# Altium PCB LightLinkV2.1.PcbDoc
Units mil, origin at the board's own origin, x right, y up, seen from the top; angles counter-clockwise.
Board outline 6160 x 5440 mil, 4 copper layers (Top Layer, GND Plane, PWR Plane, Bottom Layer), stack 23.756 mil thick; 118 components, 105 nets, 510 pads, 12 vias.
Unrouted connection lines stored in the file: 261.
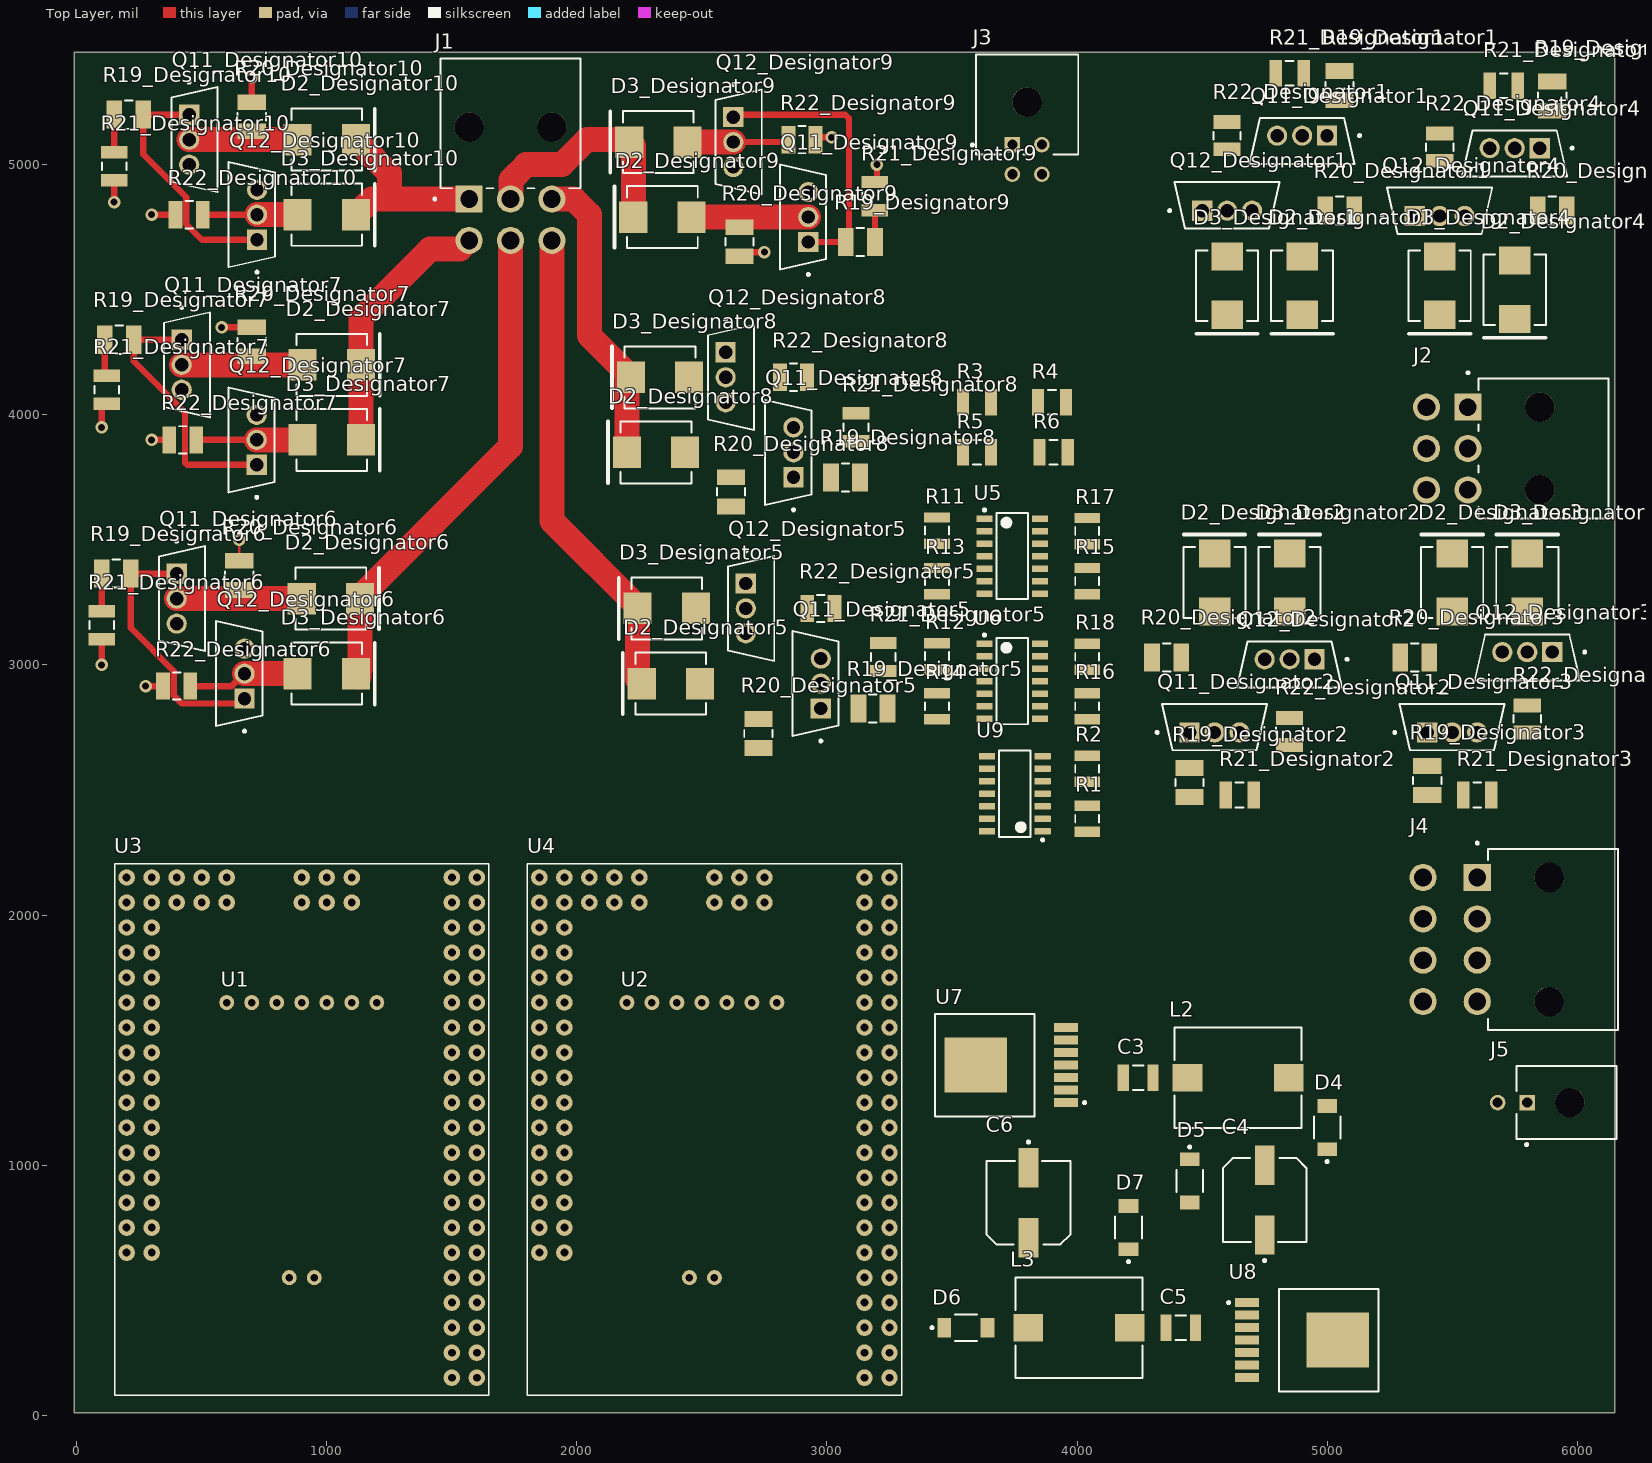
[diagram p0: Top Layer view]
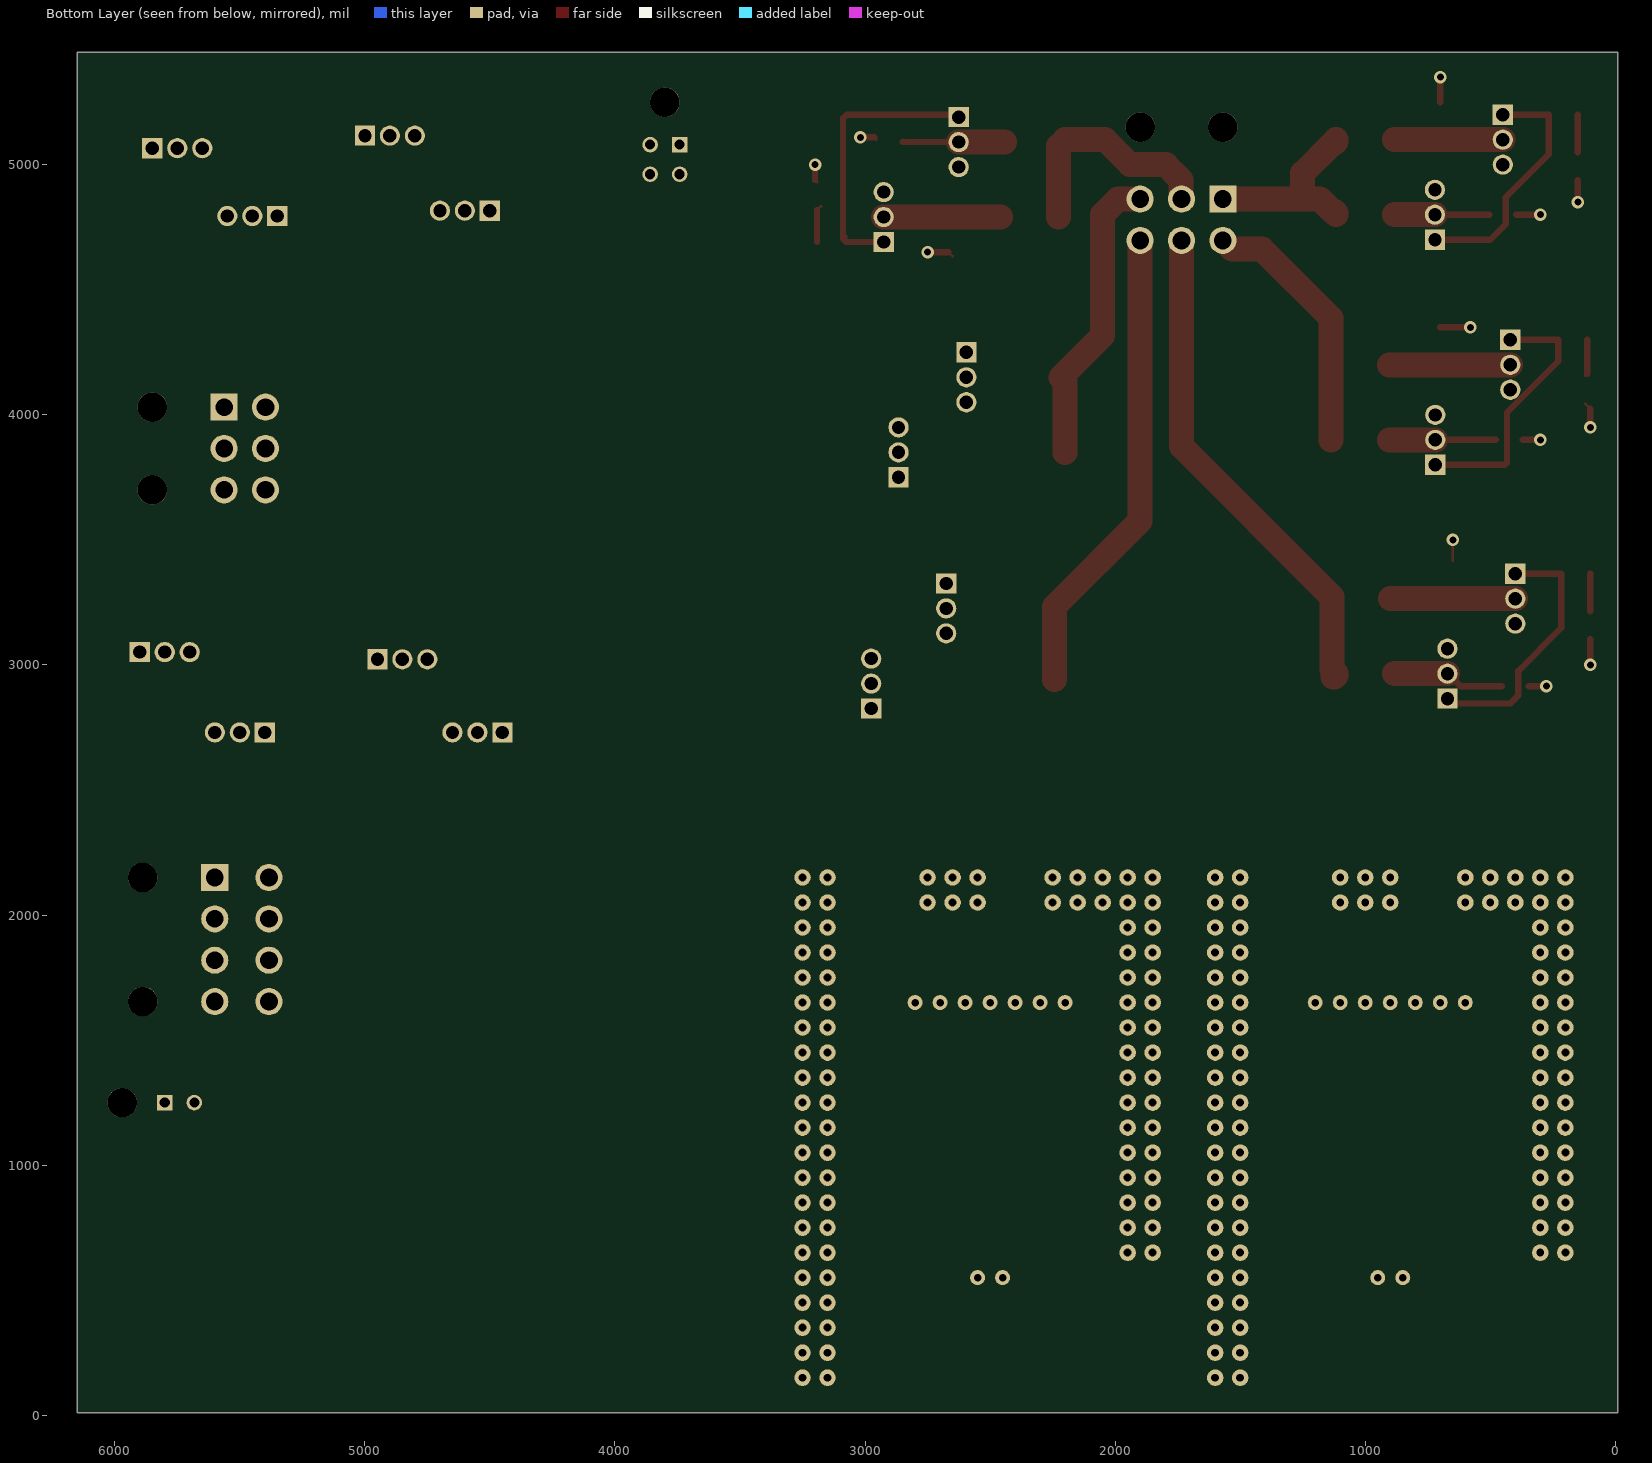
[diagram p1: Bottom Layer view, seen from below]
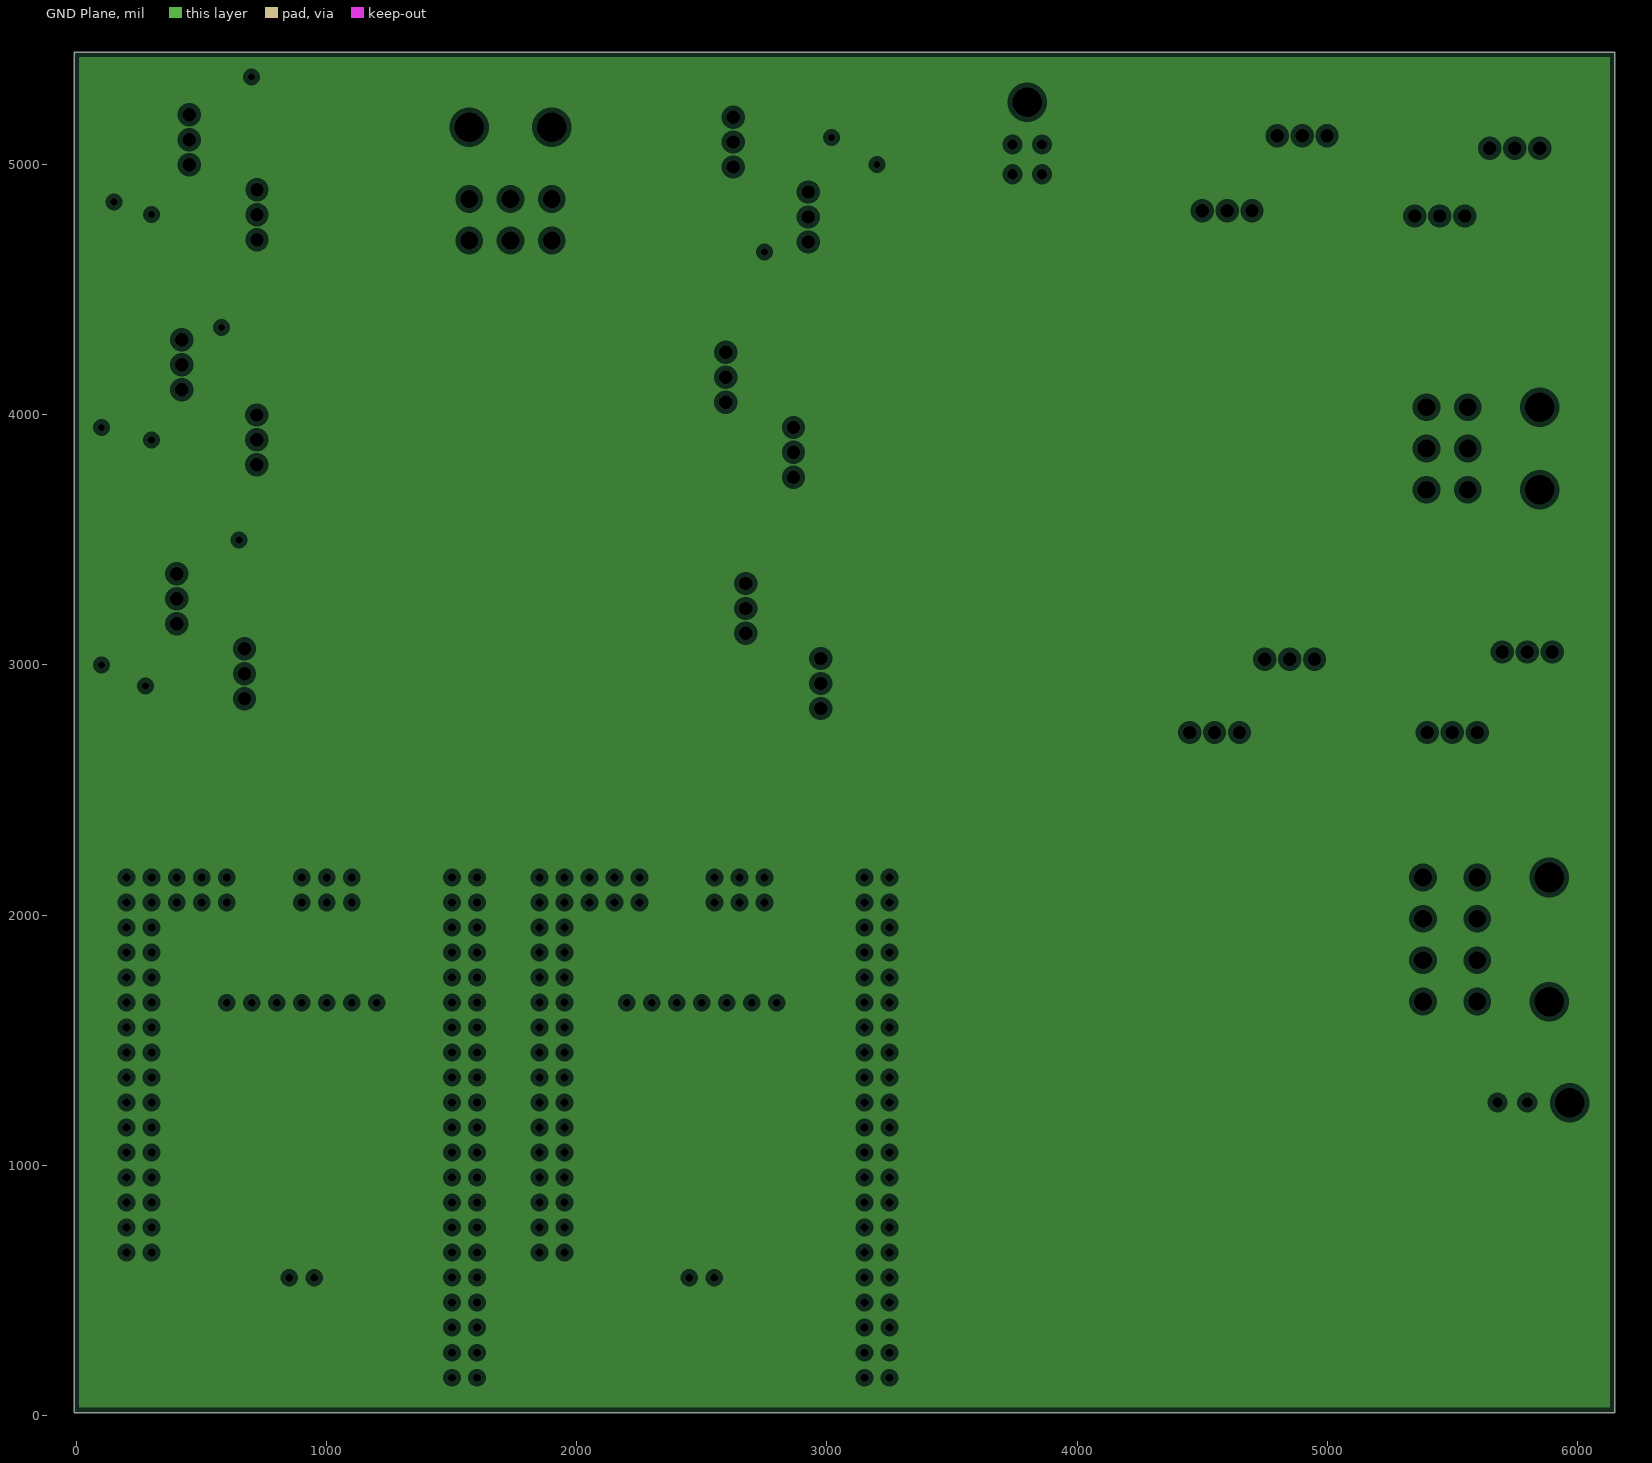
[diagram p2: GND Plane, clearances drawn from the general rule]
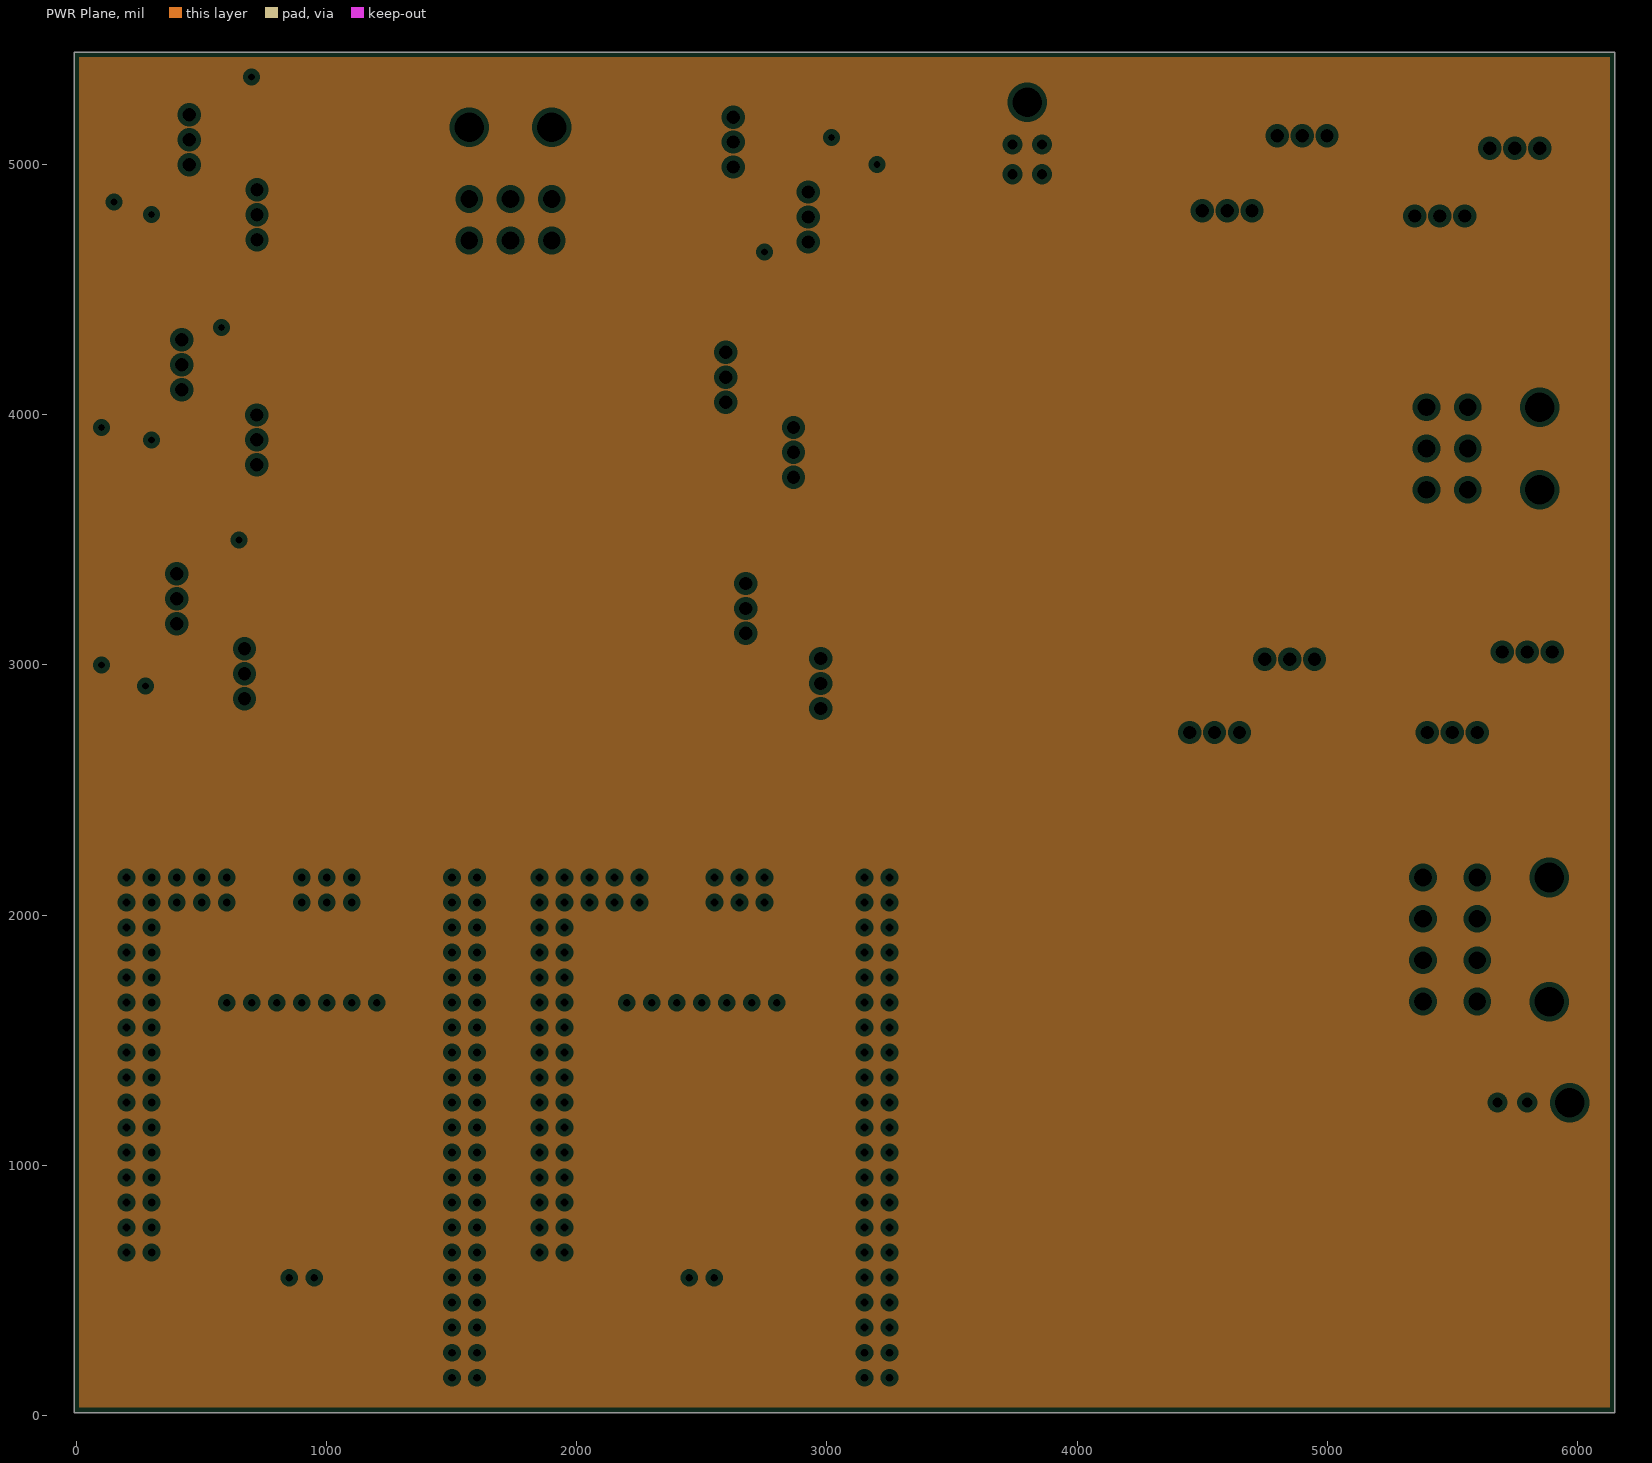
[diagram p3: PWR Plane, clearances drawn from the general rule]

## Layer stack, top to bottom
Top Solder: solder mask 0.4, Solder Resist, Dk 3.5
Top Layer: signal copper 1.4
Dielectric 2: prepreg 2.8, PP-006, Dk 4.1
GND Plane: plane copper 1.378
Dielectric 1: dielectric 12.6, FR-4, Dk 4.8
PWR Plane: plane copper 1.378
Dielectric 3: prepreg 2.8, PP-006, Dk 4.1
Bottom Layer: signal copper 1.4
Bottom Solder: solder mask 0.4, Solder Resist, Dk 3.5

## Board outline
-10,10 6150,10 6150,5450 -10,5450

## Design rules (kind name [scope] priority, off if disabled: settings)
Clearance [All] p1: gap=10 ignorepadtopadclearanceinfootprint=FALSE except(0: Arc-Hole Track-Hole SMDPad-Hole THPad-Hole Via-Hole Fill-Hole Poly-Hole Region-Hole Text-Hole)
PlaneClearance [All] p1: clearance=20
PlaneConnect [All] p1: planeconnectstyle=Relief reliefexpansion=20 reliefentries=4 reliefconductorwidth=10 reliefairgap=10
PolygonConnect [All] p1: connectstyle=Relief reliefconductorwidth=10 reliefentries=4 polygonreliefangle="90 Angle" airgapwidth=10
RoomDefinition LightLinkV2 [InComponentClass('LightLinkV2')] p1: confinementstyle=ConfineIn formatcopy=TRUE lockcomponents=FALSE outline 6035,70 14490,70 14490,2330 6035,2330
RoomDefinition Designator9 [InComponentClass('Designator9')] p2: confinementstyle=ConfineIn formatcopy=TRUE lockcomponents=FALSE outline 2100,4415 2100,5500 1630,5500 1630,4415
RoomDefinition Regulator [InComponentClass('Regulator')] p3: confinementstyle=ConfineIn formatcopy=TRUE lockcomponents=FALSE outline 4405.94,590 8260.94,590 8260.94,1320 4405.94,1320
RoomDefinition MOSFET_schematic [InComponentClass('MOSFET_schematic')] p4: confinementstyle=ConfineIn formatcopy=TRUE lockcomponents=FALSE outline 3800,1550 7060,1550 7060,2050 3800,2050
RoomDefinition Designator10 [InComponentClass('Designator10')] p5: confinementstyle=ConfineIn formatcopy=TRUE lockcomponents=FALSE outline 1330,5485 1330,4350 1800,4350 1800,5485
RoomDefinition Designator8 [InComponentClass('Designator8')] p6: confinementstyle=ConfineIn formatcopy=TRUE lockcomponents=FALSE outline 2040.64,3424.36 2040.64,4509.36 1570.64,4509.36 1570.64,3424.36
RoomDefinition Designator7 [InComponentClass('Designator7')] p7: confinementstyle=ConfineIn formatcopy=TRUE lockcomponents=FALSE outline 1300,4485 1300,3400 1770,3400 1770,4485
RoomDefinition Designator6 [InComponentClass('Designator6')] p8: confinementstyle=ConfineIn formatcopy=TRUE lockcomponents=FALSE outline 1330,3700 1330,2615 1800,2615 1800,3700
RoomDefinition Designator5 [InComponentClass('Designator5')] p9: confinementstyle=ConfineIn formatcopy=TRUE lockcomponents=FALSE outline 2100,2600 2100,3685 1630,3685 1630,2600
RoomDefinition Designator4 [InComponentClass('Designator4')] p10: confinementstyle=ConfineIn formatcopy=TRUE lockcomponents=FALSE outline 5778.86,7950 5778.86,715 6303.86,715 6303.86,7950
RoomDefinition Designator3 [InComponentClass('Designator3')] p11: confinementstyle=ConfineIn formatcopy=TRUE lockcomponents=FALSE outline 5115,3580 6200,3580 6200,4050 5115,4050
RoomDefinition Designator2 [InComponentClass('Designator2')] p12: confinementstyle=ConfineIn formatcopy=TRUE lockcomponents=FALSE outline 4165,3580 5250,3580 5250,4050 4165,4050
RoomDefinition Designator1 [InComponentClass('Designator1')] p13: confinementstyle=ConfineIn formatcopy=TRUE lockcomponents=FALSE outline 5215,4266.14 4150,4266.14 4150,3796.14 5215,3796.14
RoutingVias [All] p1: holewidth=28 width=50 viastyle="Through Hole" minholewidth=28 minwidth=50 maxholewidth=28 maxwidth=50
SolderMaskExpansion [All] p1: expansion=4 istentingtop=FALSE
Width [All] p1: maxlimit=10 minlimit=10 preferedwidth=10
28 further rules are at their usual default settings.

## Classes and differential pairs
channel class MOSFET_V2: Designator1 Designator2 Designator3 Designator4 Designator5 Designator6 Designator7 Designator8 Designator9 Designator10
component class Regulator: C3 C4 C5 C6 D4 D5 D6 D7 L2 L3 U7 U8
component class MOSFET_schematic: R1 R2 R11 R12 R13 R14 R15 R16 R17 R18 U5 U6 U9
component class LightLinkV2: J1 J2 J3 J4 J5 R3 R4 R5 R6 U1 U2 U3 U4
component class Designator10: D2_Designator10 D3_Designator10 Q11_Designator10 Q12_Designator10 R19_Designator10 R20_Designator10 R21_Designator10 R22_Designator10
component class Designator9: D2_Designator9 D3_Designator9 Q11_Designator9 Q12_Designator9 R19_Designator9 R20_Designator9 R21_Designator9 R22_Designator9
component class Designator8: D2_Designator8 D3_Designator8 Q11_Designator8 Q12_Designator8 R19_Designator8 R20_Designator8 R21_Designator8 R22_Designator8
component class Designator7: D2_Designator7 D3_Designator7 Q11_Designator7 Q12_Designator7 R19_Designator7 R20_Designator7 R21_Designator7 R22_Designator7
component class Designator6: D2_Designator6 D3_Designator6 Q11_Designator6 Q12_Designator6 R19_Designator6 R20_Designator6 R21_Designator6 R22_Designator6
component class Designator5: D2_Designator5 D3_Designator5 Q11_Designator5 Q12_Designator5 R19_Designator5 R20_Designator5 R21_Designator5 R22_Designator5
component class Designator4: D2_Designator4 D3_Designator4 Q11_Designator4 Q12_Designator4 R19_Designator4 R20_Designator4 R21_Designator4 R22_Designator4
component class Designator3: D2_Designator3 D3_Designator3 Q11_Designator3 Q12_Designator3 R19_Designator3 R20_Designator3 R21_Designator3 R22_Designator3
component class Designator2: D2_Designator2 D3_Designator2 Q11_Designator2 Q12_Designator2 R19_Designator2 R20_Designator2 R21_Designator2 R22_Designator2
component class Designator1: D2_Designator1 D3_Designator1 Q11_Designator1 Q12_Designator1 R19_Designator1 R20_Designator1 R21_Designator1 R22_Designator1

## Components (designator, comment, footprint, x,y, rotation, side; value= is the part's Value field where it differs from the comment)
C3 "CAP 10nF 250V 1210(3225)" CAPC1210(3225)100_N 4244.33,1350 r0 top value=10nF
C4 "EEEFT1H221AP" FP-FTF-MFG 4750,860.24 r90 top
C5 "CAP 10nF 250V 1210(3225)" CAPC1210(3225)100_N 4414.72,350 r180 top value=10nF
C6 "EEEFT1H221AP" FP-FTF-MFG 3805.67,850 r270 top
D2_Designator1 "B560C-13-F" DIOD-B5X0C-2_M 4900,4516.14 r90 top (schematic designator D2)
D2_Designator2 "B560C-13-F" DIOD-B5X0C-2_M 4550,3330 r270 top (schematic designator D2)
D2_Designator3 "B560C-13-F" DIOD-B5X0C-2_M 5500,3330 r270 top (schematic designator D2)
D2_Designator4 "B560C-13-F" DIOD-B5X0C-2_M 5750,4500 r90 top (schematic designator D2)
D2_Designator5 "B560C-13-F" DIOD-B5X0C-2_M 2375.5,2925.64 r0 top (schematic designator D2)
D2_Designator6 "B560C-13-F" DIOD-B5X0C-2_M 1016.14,3265 r180 top (schematic designator D2)
D2_Designator7 "B560C-13-F" DIOD-B5X0C-2_M 1020,4200 r180 top (schematic designator D2)
D2_Designator8 "B560C-13-F" DIOD-B5X0C-2_M 2316.14,3850 r0 top (schematic designator D2)
D2_Designator9 "B560C-13-F" DIOD-B5X0C-2_M 2341.64,4790.64 r0 top (schematic designator D2)
D2_Designator10 "B560C-13-F" DIOD-B5X0C-2_M 1000,5100 r180 top (schematic designator D2)
D3_Designator1 "B560C-13-F" DIOD-B5X0C-2_M 4600,4516.14 r90 top (schematic designator D3)
D3_Designator2 "B560C-13-F" DIOD-B5X0C-2_M 4850,3330 r270 top (schematic designator D3)
D3_Designator3 "B560C-13-F" DIOD-B5X0C-2_M 5800,3330 r270 top (schematic designator D3)
D3_Designator4 "B560C-13-F" DIOD-B5X0C-2_M 5450,4516.14 r90 top (schematic designator D3)
D3_Designator5 "B560C-13-F" DIOD-B5X0C-2_M 2359.36,3225.64 r0 top (schematic designator D3)
D3_Designator6 "B560C-13-F" DIOD-B5X0C-2_M 1000,2965 r180 top (schematic designator D3)
D3_Designator7 "B560C-13-F" DIOD-B5X0C-2_M 1020,3900 r180 top (schematic designator D3)
D3_Designator8 "B560C-13-F" DIOD-B5X0C-2_M 2332.28,4150 r0 top (schematic designator D3)
D3_Designator9 "B560C-13-F" DIOD-B5X0C-2_M 2325.5,5090.64 r0 top (schematic designator D3)
D3_Designator10 "B560C-13-F" DIOD-B5X0C-2_M 1000,4800 r180 top (schematic designator D3)
D4 "RSX501LAM20TR" FP-PMDTM-MFG 5000,1150 r90 top
D5 "RSX501LAM20TR" FP-PMDTM-MFG 4450,936.61 r270 top
D6 "RSX501LAM20TR" FP-PMDTM-MFG 3555.67,350 r0 top
D7 "RSX501LAM20TR" FP-PMDTM-MFG 4205.67,750 r90 top
J1 "455580003" FP-455580003-MFG 1734.65,5157.87 r0 top
J2 "455580003" FP-455580003-MFG 5857.87,3865.35 r270 top
J3 "43045-0400" FP-43045-0400-MFG 3800,5236.02 r180 top
J4 "39-30-0080" FP-39-30-0080-MFG 5895.28,1901.97 r90 top
J5 "43045-0202" FP-43045-0202-MFG 5956.1,1250 r90 top
L2 "74456047" WE-PD4-L 4644.33,1350 r0 top
L3 "74456047" WE-PD4-L 4008.43,350 r180 top
Q11_Designator1 "FQP30N06" FP-340AT-MFG 4899.8,5094.88 r270 top (schematic designator Q11)
Q11_Designator2 "FQP30N06" FP-340AT-MFG 4549.8,2751.26 r90 top (schematic designator Q11)
Q11_Designator3 "FQP30N06" FP-340AT-MFG 5499.8,2751.26 r90 top (schematic designator Q11)
Q11_Designator4 "FQP30N06" FP-340AT-MFG 5749.8,5044.88 r270 top (schematic designator Q11)
Q11_Designator5 "FQP30N06" FP-340AT-MFG 2954.24,2925.44 r180 top (schematic designator Q11)
Q11_Designator6 "FQP30N06" FP-340AT-MFG 421.26,3264.8 r0 top (schematic designator Q11)
Q11_Designator7 "FQP30N06" FP-340AT-MFG 441.26,4200 r0 top (schematic designator Q11)
Q11_Designator8 "FQP30N06" FP-340AT-MFG 2844.88,3849.8 r180 top (schematic designator Q11)
Q11_Designator9 "FQP30N06" FP-340AT-MFG 2904.24,4790.84 r180 top (schematic designator Q11)
Q11_Designator10 "FQP30N06" FP-340AT-MFG 471.26,5100 r0 top (schematic designator Q11)
Q12_Designator1 "FQP30N06" FP-340AT-MFG 4600,4837.4 r90 top (schematic designator Q12)
Q12_Designator2 "FQP30N06" FP-340AT-MFG 4849.8,3001.26 r270 top (schematic designator Q12)
Q12_Designator3 "FQP30N06" FP-340AT-MFG 5800,3030 r270 top (schematic designator Q12)